# KiCad board panel.kicad_pcb (continued)
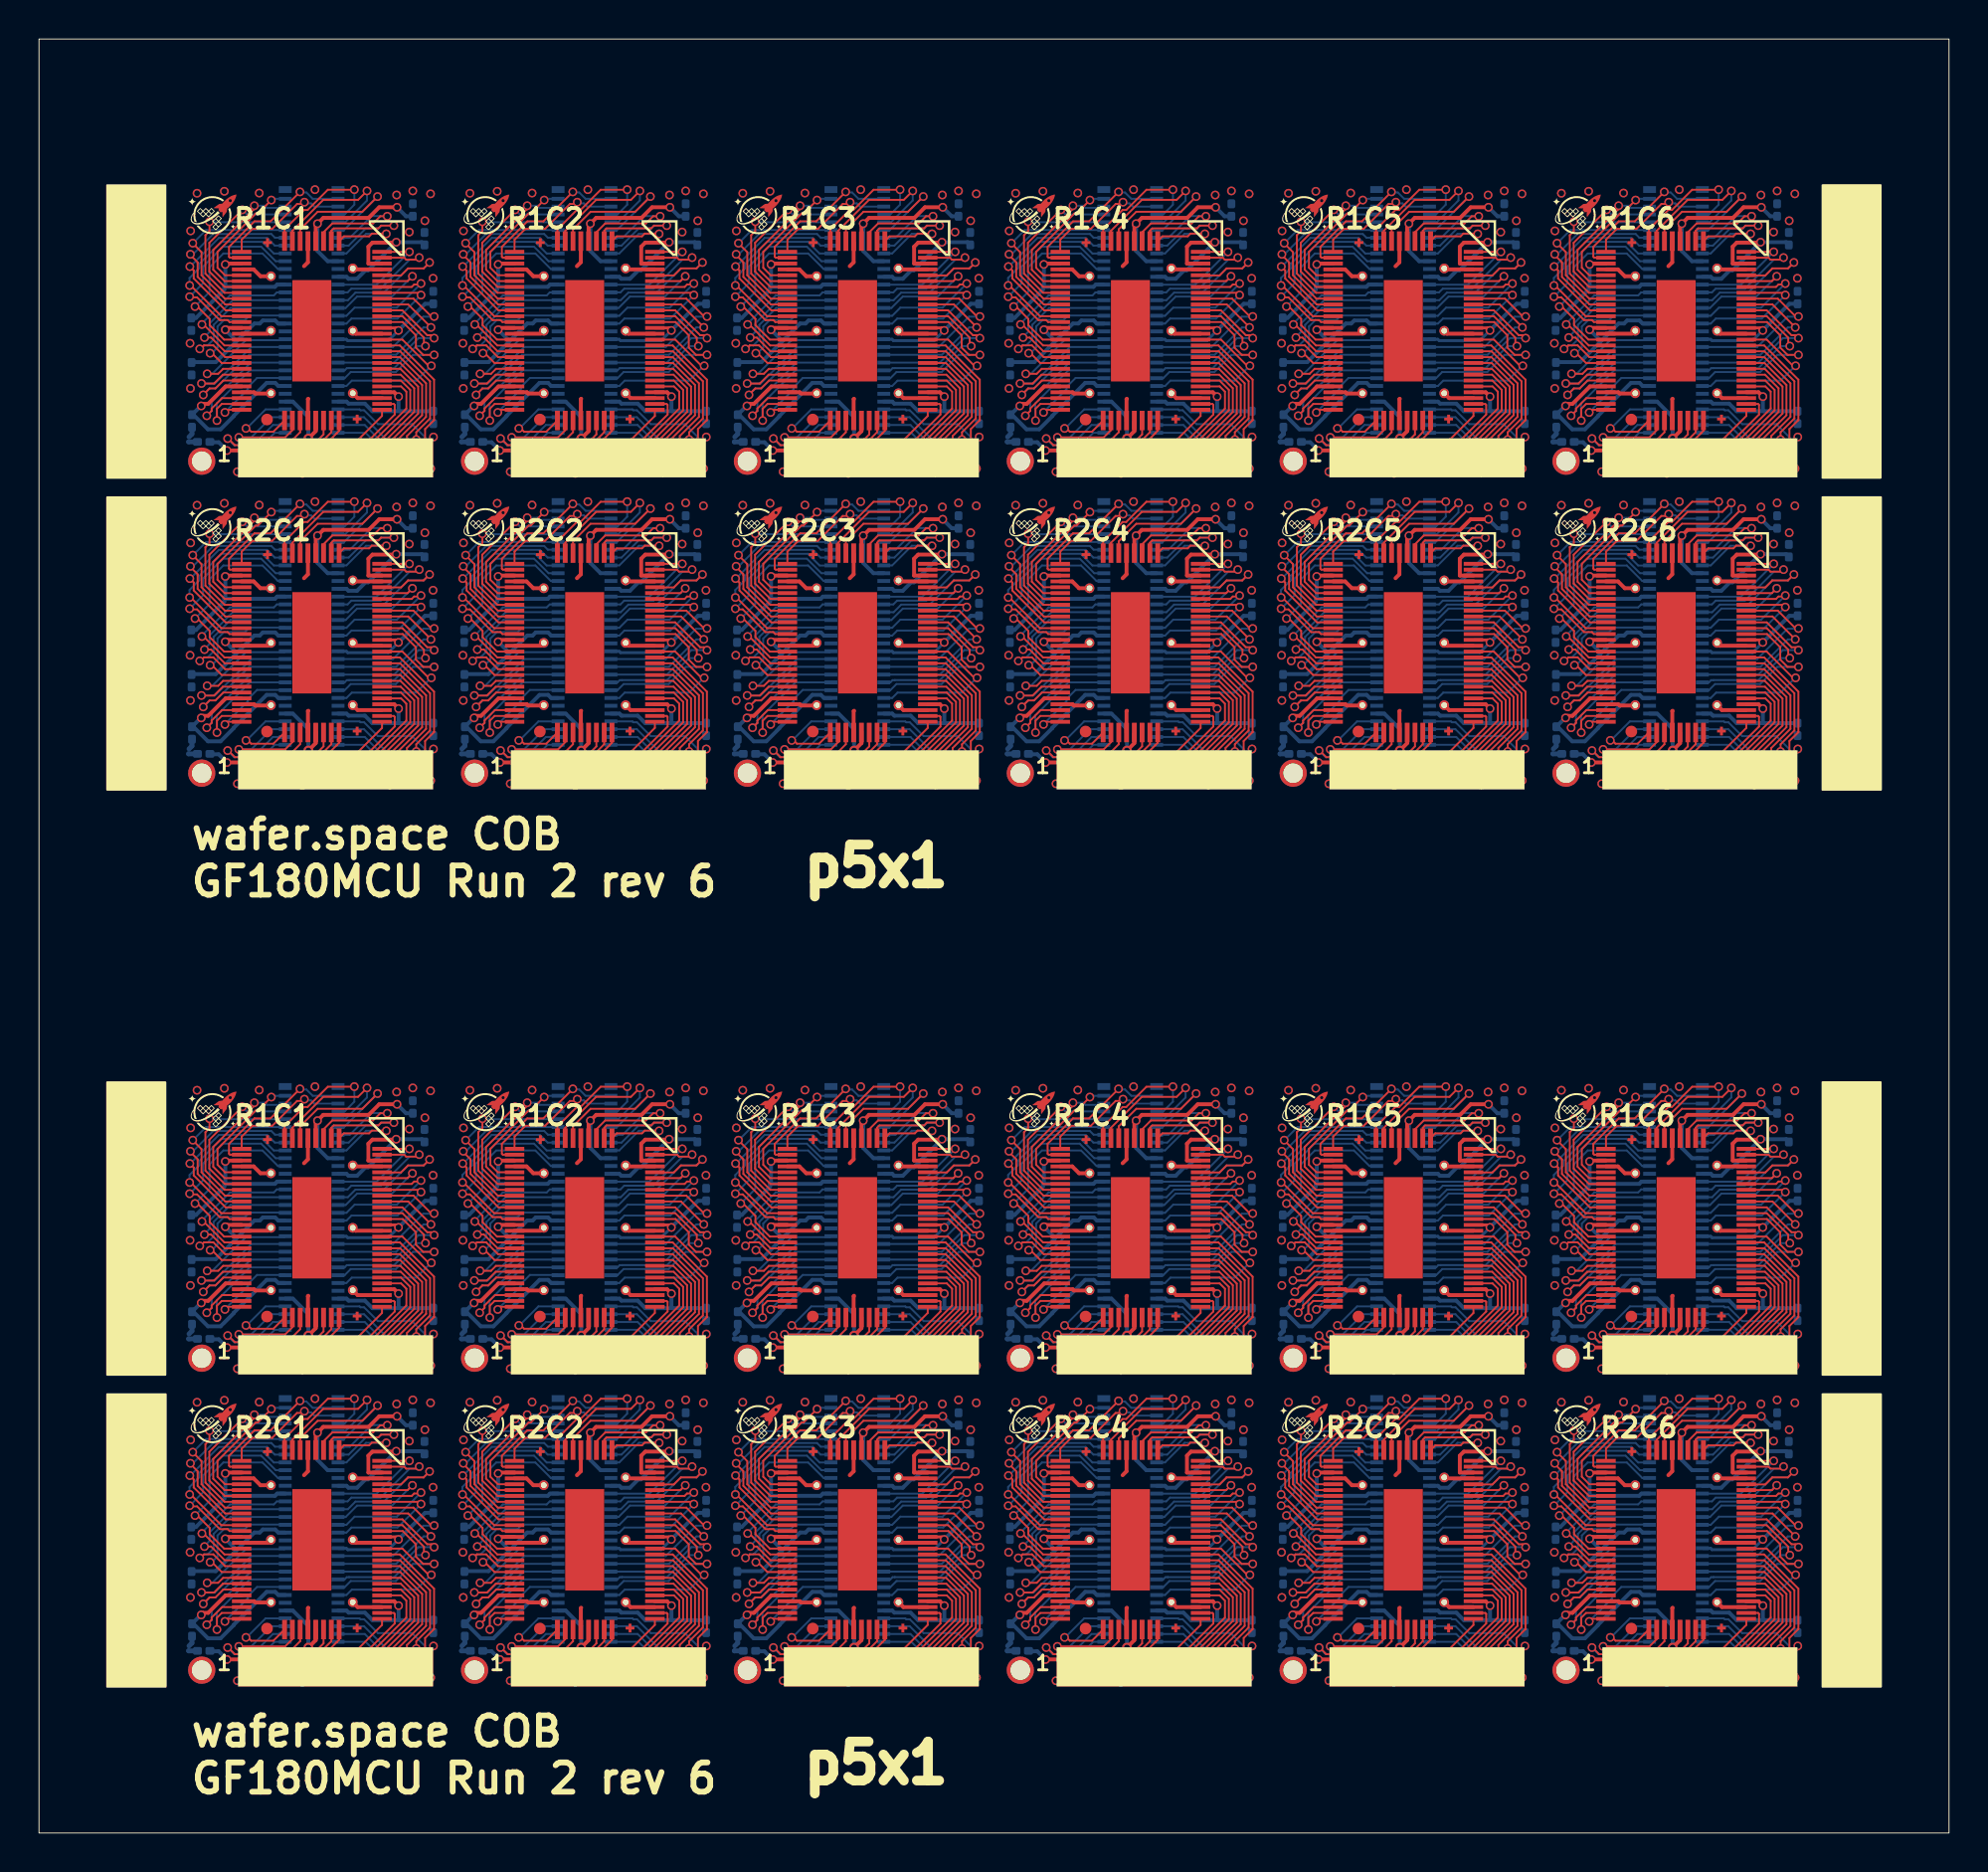
[diagram p0: board, top side]
## Routing (per net, layer and track width the routed paths; a pad name or vN(x,y) marks a point on that pad's centre or on a via; arc(x,y) is an arc through that point) (continued)
/bidir_10: length 199.2
  Top w0.1: U110.21 74.65,76.59 75.99,75.24 v1(76.13,75.24) ; U110#2.21 74.65,30.59 75.99,29.24 v1(76.13,29.24) ; v1(90.13,29.24) 89.99,29.24 88.65,30.59 U112.21 ; v1(48.13,13.24) 47.99,13.24 46.65,14.59 U118.21 ; U108.21 60.65,30.59 61.99,29.24 v1(62.13,29.24) ; v1(20.13,13.24) 19.99,13.24 18.65,14.59 U114#2.21 ; U124#2.21 88.65,60.59 89.99,59.24 v1(90.13,59.24) ; U102.21 18.65,76.59 19.99,75.24 v1(20.13,75.24) ; v1(62.13,75.24) 61.99,75.24 60.65,76.59 U108#2.21 ; U114.21 18.65,60.59 19.99,59.24 v1(20.13,59.24) ; v1(34.13,13.24) 33.99,13.24 32.65,14.59 U116#2.21 ; U118#2.21 46.65,60.59 47.99,59.24 v1(48.13,59.24) ; U122#2.21 74.65,14.59 75.99,13.24 v1(76.13,13.24) ; U104.21 32.65,76.59 33.99,75.24 v1(34.13,75.24) ; U104#2.21 32.65,30.59 33.99,29.24 v1(34.13,29.24) ; v1(48.13,29.24) 47.99,29.24 46.65,30.59 U106.21 ; v1(62.13,59.24) 61.99,59.24 60.65,60.59 U120#2.21 ; v1(90.13,13.24) 89.99,13.24 88.65,14.59 U124.21 ; U106#2.21 46.65,76.59 47.99,75.24 v1(48.13,75.24) ; U102#2.21 18.65,30.59 19.99,29.24 v1(20.13,29.24) ; v1(90.13,75.24) 89.99,75.24 88.65,76.59 U112#2.21 ; v1(34.13,59.24) 33.99,59.24 32.65,60.59 U116.21 ; v1(76.13,59.24) 75.99,59.24 74.65,60.59 U122.21 ; U120.21 60.65,14.59 61.99,13.24 v1(62.13,13.24)
  Bottom w0.1: U101.60 15.78,28.2 16.05,28.48 19.36,28.48 20.11,29.24 v1(20.13,29.24) ; U113#2.60 15.78,58.2 16.05,58.48 19.36,58.48 20.11,59.24 v1(20.13,59.24) ; v1(62.13,13.24) 62.11,13.24 61.36,12.48 58.05,12.48 57.78,12.2 U119#2.60 ; v1(20.13,75.24) 20.11,75.24 19.36,74.48 16.05,74.48 15.78,74.2 15.34,74.2 ; v1(90.13,13.24) 90.11,13.24 89.36,12.48 86.05,12.48 85.77,12.2 U123.60 ; v1(48.13,75.24) 48.11,75.24 47.36,74.48 44.05,74.48 43.78,74.2 43.34,74.2 ; v1(48.13,59.24) 48.11,59.24 47.36,58.48 44.05,58.48 43.78,58.2 U117#2.60 ; v1(62.13,75.24) 62.11,75.24 61.36,74.48 58.05,74.48 57.78,74.2 57.34,74.2 ; v1(62.13,59.24) 62.11,59.24 61.36,58.48 58.05,58.48 57.78,58.2 U119.60 ; v1(34.13,75.24) 34.11,75.24 33.36,74.48 30.05,74.48 29.78,74.2 29.34,74.2 ; 71.35,28.2 71.77,28.2 72.05,28.48 75.36,28.48 76.11,29.24 v1(76.13,29.24) ; v1(34.13,59.24) 34.11,59.24 33.36,58.48 30.05,58.48 29.78,58.2 U115#2.60 ; v1(62.13,29.24) 62.11,29.24 61.36,28.48 58.05,28.48 57.78,28.2 U107.60 ; U105#2.60 43.78,28.2 44.05,28.48 47.36,28.48 48.11,29.24 v1(48.13,29.24) ; 85.35,74.2 85.77,74.2 86.05,74.48 89.36,74.48 90.11,75.24 v1(90.13,75.24) ; U123#2.60 85.77,58.2 86.05,58.48 89.36,58.48 90.11,59.24 v1(90.13,59.24) ; v1(76.13,75.24) 76.11,75.24 75.36,74.48 72.05,74.48 71.77,74.2 71.35,74.2 ; v1(76.13,59.24) 76.11,59.24 75.36,58.48 72.05,58.48 71.77,58.2 71.35,58.2 ; U115.60 29.78,12.2 30.05,12.48 33.36,12.48 34.11,13.24 v1(34.13,13.24) ; v1(90.13,29.24) 90.11,29.24 89.36,28.48 86.05,28.48 85.77,28.2 U111.60 ; 71.35,12.2 71.77,12.2 72.05,12.48 75.36,12.48 76.11,13.24 v1(76.13,13.24) ; v1(20.13,13.24) 20.11,13.24 19.36,12.48 16.05,12.48 15.78,12.2 U113.60 ; U117.60 43.78,12.2 44.05,12.48 47.36,12.48 48.11,13.24 v1(48.13,13.24) ; U103.60 29.78,28.2 30.05,28.48 33.36,28.48 34.11,29.24 v1(34.13,29.24)
/bidir_11: length 220
  Top w0.1: v1(76.27,29.8) 75.71,29.8 75.34,30.17 75.34,30.81 74.66,31.49 U110#2.24 ; U114#2.24 18.66,15.49 19.34,14.81 19.34,14.17 19.71,13.8 v1(20.28,13.8) ; v1(90.27,59.8) 89.71,59.8 89.34,60.17 89.34,60.81 88.66,61.49 U124#2.24 ; v1(76.27,13.8) 75.71,13.8 75.34,14.17 75.34,14.81 74.66,15.49 U122#2.24 ; U118#2.24 46.66,61.49 47.34,60.81 47.34,60.17 47.71,59.8 v1(48.28,59.8) ; U124.24 88.66,15.49 89.34,14.81 89.34,14.17 89.71,13.8 v1(90.27,13.8) ; v1(34.28,13.8) 33.71,13.8 33.34,14.17 33.34,14.81 32.66,15.49 U116#2.24 ; v1(76.27,75.8) 75.71,75.8 75.34,76.17 75.34,76.81 74.66,77.49 73.6,77.48 ; 31.6,77.48 32.66,77.49 33.34,76.81 33.34,76.17 33.71,75.8 v1(34.28,75.8) ; v1(34.28,59.8) 33.71,59.8 33.34,60.17 33.34,60.81 32.66,61.49 U116.24 ; v1(90.27,29.8) 89.71,29.8 89.34,30.17 89.34,30.81 88.66,31.49 U112.24 ; v1(62.28,75.8) 61.71,75.8 61.34,76.17 61.34,76.81 60.66,77.49 59.6,77.48 ; U104#2.24 32.66,31.49 33.34,30.81 33.34,30.17 33.71,29.8 v1(34.28,29.8) ; U120#2.24 60.66,61.49 61.34,60.81 61.34,60.17 61.71,59.8 v1(62.28,59.8) ; 17.6,77.48 18.66,77.49 19.34,76.81 19.34,76.17 19.71,75.8 v1(20.28,75.8) ; v1(76.27,59.8) 75.71,59.8 75.34,60.17 75.34,60.81 74.66,61.49 U122.24 ; v1(62.28,29.8) 61.71,29.8 61.34,30.17 61.34,30.81 60.66,31.49 U108.24 ; U102#2.24 18.66,31.49 19.34,30.81 19.34,30.17 19.71,29.8 v1(20.28,29.8) ; v1(48.28,13.8) 47.71,13.8 47.34,14.17 47.34,14.81 46.66,15.49 U118.24 ; U106.24 46.66,31.49 47.34,30.81 47.34,30.17 47.71,29.8 v1(48.28,29.8) ; v1(48.28,75.8) 47.71,75.8 47.34,76.17 47.34,76.81 46.66,77.49 45.6,77.48 ; v1(62.28,13.8) 61.71,13.8 61.34,14.17 61.34,14.81 60.66,15.49 U120.24 ; 87.6,77.48 88.66,77.49 89.34,76.81 89.34,76.17 89.71,75.8 v1(90.27,75.8) ; U114.24 18.66,61.49 19.34,60.81 19.34,60.17 19.71,59.8 v1(20.28,59.8)
  Bottom w0.1: 71.35,12.61 71.68,12.61 72,12.92 74.31,12.92 75.19,13.8 v1(76.27,13.8) ; U103#2.59 29.68,74.61 30,74.92 32.31,74.92 33.19,75.8 v1(34.28,75.8) ; 71.35,58.61 71.68,58.61 72,58.92 74.31,58.92 75.19,59.8 v1(76.27,59.8) ; v1(90.27,59.8) 89.19,59.8 88.31,58.92 86,58.92 85.68,58.61 U123#2.59 ; v1(76.27,75.8) 75.19,75.8 74.31,74.92 72,74.92 71.68,74.61 71.35,74.61 ; v1(48.28,59.8) 47.19,59.8 46.31,58.92 44,58.92 43.68,58.61 U117#2.59 ; v1(76.27,29.8) 75.19,29.8 74.31,28.92 72,28.92 71.68,28.61 71.35,28.61 ; U107.59 57.68,28.61 58,28.92 60.31,28.92 61.19,29.8 v1(62.28,29.8) ; U105#2.59 43.68,28.61 44,28.92 46.31,28.92 47.19,29.8 v1(48.28,29.8) ; v1(90.27,75.8) 89.19,75.8 88.31,74.92 86,74.92 85.68,74.61 U111#2.59 ; v1(20.28,75.8) 19.19,75.8 18.31,74.92 16,74.92 15.68,74.61 U101#2.59 ; v1(34.28,13.8) 33.19,13.8 32.31,12.92 30,12.92 29.68,12.61 U115.59 ; v1(62.28,59.8) 61.19,59.8 60.31,58.92 58,58.92 57.68,58.61 U119.59 ; v1(20.28,59.8) 19.19,59.8 18.31,58.92 16,58.92 15.68,58.61 U113#2.59 ; v1(34.28,59.8) 33.19,59.8 32.31,58.92 30,58.92 29.68,58.61 U115#2.59 ; v1(62.28,13.8) 61.19,13.8 60.31,12.92 58,12.92 57.68,12.61 U119#2.59 ; v1(90.27,13.8) 89.19,13.8 88.31,12.92 86,12.92 85.68,12.61 U123.59 ; v1(90.27,29.8) 89.19,29.8 88.31,28.92 86,28.92 85.68,28.61 U111.59 ; U117.59 43.68,12.61 44,12.92 46.31,12.92 47.19,13.8 v1(48.28,13.8) ; U105.59 43.68,74.61 44,74.92 46.31,74.92 47.19,75.8 v1(48.28,75.8) ; v1(20.28,13.8) 19.19,13.8 18.31,12.92 16,12.92 15.68,12.61 U113.59 ; U103.59 29.68,28.61 30,28.92 32.31,28.92 33.19,29.8 v1(34.28,29.8) ; v1(62.28,75.8) 61.19,75.8 60.31,74.92 58,74.92 57.68,74.61 U107#2.59 ; v1(20.28,29.8) 19.19,29.8 18.31,28.92 16,28.92 15.68,28.61 U101.59
/bidir_12: length 193.8
  Top w0.1: v1(61.83,60.25) 61.75,60.33 61.75,60.68 60.65,61.79 59.6,61.79 ; 31.6,61.79 32.65,61.79 33.75,60.68 33.75,60.33 v1(33.83,60.25) ; v1(47.83,60.25) 47.75,60.33 47.75,60.68 46.65,61.79 45.6,61.79 ; 45.6,77.79 46.65,77.79 47.75,76.68 47.75,76.33 v1(47.83,76.25) ; 59.6,31.79 60.65,31.79 61.75,30.68 61.75,30.33 v1(61.83,30.25) ; 59.6,77.79 60.65,77.79 61.75,76.68 61.75,76.33 v1(61.83,76.25) ; v1(89.83,14.25) 89.75,14.33 89.75,14.68 88.65,15.79 87.6,15.79 ; v1(75.83,60.25) 75.75,60.33 75.75,60.68 74.65,61.79 73.6,61.79 ; v1(47.83,30.25) 47.75,30.33 47.75,30.68 46.65,31.79 45.6,31.79 ; 17.6,61.79 18.65,61.79 19.75,60.68 19.75,60.33 v1(19.83,60.25) ; v1(89.83,76.25) 89.75,76.33 89.75,76.68 88.65,77.79 87.6,77.79 ; 73.6,77.79 74.65,77.79 75.75,76.68 75.75,76.33 v1(75.83,76.25) ; 45.6,15.79 46.65,15.79 47.75,14.68 47.75,14.33 v1(47.83,14.25) ; 31.6,77.79 32.65,77.79 33.75,76.68 33.75,76.33 v1(33.83,76.25) ; v1(75.83,30.25) 75.75,30.33 75.75,30.68 74.65,31.79 73.6,31.79 ; v1(19.83,76.25) 19.75,76.33 19.75,76.68 18.65,77.79 17.6,77.79 ; v1(33.83,14.25) 33.75,14.33 33.75,14.68 32.65,15.79 31.6,15.79 ; v1(19.83,30.25) 19.75,30.33 19.75,30.68 18.65,31.79 17.6,31.79 ; 59.6,15.79 60.65,15.79 61.75,14.68 61.75,14.33 v1(61.83,14.25) ; v1(33.83,30.25) 33.75,30.33 33.75,30.68 32.65,31.79 31.6,31.79 ; v1(19.83,14.25) 19.75,14.33 19.75,14.68 18.65,15.79 17.6,15.79 ; v1(89.83,30.25) 89.75,30.33 89.75,30.68 88.65,31.79 87.6,31.79 ; 87.6,61.79 88.65,61.79 89.75,60.68 89.75,60.33 v1(89.83,60.25) ; v1(75.83,14.25) 75.75,14.33 75.75,14.68 74.65,15.79 73.6,15.79
  Bottom w0.1: 57.35,75.01 57.68,75.01 57.8,75.12 57.91,75.12 57.91,75.12 60.22,75.12 61.35,76.25 v1(61.83,76.25) ; 85.35,13.01 85.68,13.01 85.8,13.12 85.91,13.12 85.91,13.12 88.22,13.12 89.35,14.25 v1(89.83,14.25) ; v1(61.83,60.25) 61.35,60.25 60.22,59.12 57.91,59.12 57.91,59.12 57.8,59.12 57.68,59.01 57.35,59.01 ; v1(89.83,30.25) 89.35,30.25 88.22,29.12 85.91,29.12 85.91,29.12 85.8,29.12 85.68,29.01 85.35,29.01 ; v1(47.83,76.25) 47.35,76.25 46.22,75.12 43.91,75.12 43.91,75.12 43.8,75.12 43.68,75.01 43.35,75.01 ; 15.35,29.01 15.68,29.01 15.8,29.12 15.91,29.12 15.91,29.12 18.22,29.12 19.35,30.25 v1(19.83,30.25) ; 57.35,29.01 57.68,29.01 57.8,29.12 57.91,29.12 57.91,29.12 60.22,29.12 61.35,30.25 v1(61.83,30.25) ; 43.35,29.01 43.68,29.01 43.8,29.12 43.91,29.12 43.91,29.12 46.22,29.12 47.35,30.25 v1(47.83,30.25) ; v1(19.83,14.25) 19.35,14.25 18.22,13.12 15.91,13.12 15.91,13.12 15.8,13.12 15.68,13.01 15.35,13.01 ; v1(33.83,60.25) 33.35,60.25 32.22,59.12 29.91,59.12 29.91,59.12 29.8,59.12 29.68,59.01 29.35,59.01 ; v1(75.83,30.25) 75.35,30.25 74.22,29.12 71.91,29.12 71.91,29.12 71.8,29.12 71.68,29.01 71.35,29.01 ; 15.35,75.01 15.68,75.01 15.8,75.12 15.91,75.12 15.91,75.12 18.22,75.12 19.35,76.25 v1(19.83,76.25) ; 71.35,75.01 71.68,75.01 71.8,75.12 71.91,75.12 71.91,75.12 74.22,75.12 75.35,76.25 v1(75.83,76.25) ; 29.35,13.01 29.68,13.01 29.8,13.12 29.91,13.12 29.91,13.12 32.22,13.12 33.35,14.25 v1(33.83,14.25) ; v1(89.83,76.25) 89.35,76.25 88.22,75.12 85.91,75.12 85.91,75.12 85.8,75.12 85.68,75.01 85.35,75.01 ; v1(47.83,60.25) 47.35,60.25 46.22,59.12 43.91,59.12 43.91,59.12 43.8,59.12 43.68,59.01 43.35,59.01 ; v1(33.83,76.25) 33.35,76.25 32.22,75.12 29.91,75.12 29.91,75.12 29.8,75.12 29.68,75.01 29.35,75.01 ; 85.35,59.01 85.68,59.01 85.8,59.12 85.91,59.12 85.91,59.12 88.22,59.12 89.35,60.25 v1(89.83,60.25) ; v1(47.83,14.25) 47.35,14.25 46.22,13.12 43.91,13.12 43.91,13.12 43.8,13.12 43.68,13.01 43.35,13.01 ; 15.35,59.01 15.68,59.01 15.8,59.12 15.91,59.12 15.91,59.12 18.22,59.12 19.35,60.25 v1(19.83,60.25) ; 71.35,59.01 71.68,59.01 71.8,59.12 71.91,59.12 71.91,59.12 74.22,59.12 75.35,60.25 v1(75.83,60.25) ; v1(75.83,14.25) 75.35,14.25 74.22,13.12 71.91,13.12 71.91,13.12 71.8,13.12 71.68,13.01 71.35,13.01 ; 57.35,13.01 57.68,13.01 57.8,13.12 57.91,13.12 57.91,13.12 60.22,13.12 61.35,14.25 v1(61.83,14.25) ; v1(33.83,30.25) 33.35,30.25 32.22,29.12 29.91,29.12 29.91,29.12 29.8,29.12 29.68,29.01 29.35,29.01
/bidir_13: length 209.2
  Top w0.1: U116.26 32.64,62.09 33.92,60.81 34.12,60.81 v1(34.28,60.66) ; U108.26 60.64,32.09 61.92,30.81 62.12,30.81 v1(62.28,30.66) ; U120.26 60.64,16.09 61.92,14.81 62.12,14.81 v1(62.28,14.66) ; U124.26 88.64,16.09 89.92,14.81 90.12,14.81 v1(90.28,14.66) ; v1(20.28,76.66) 20.12,76.81 19.92,76.81 18.64,78.09 U102.26 ; U104#2.26 32.64,32.09 33.92,30.81 34.12,30.81 v1(34.28,30.66) ; v1(20.28,60.66) 20.12,60.81 19.92,60.81 18.64,62.09 U114.26 ; U102#2.26 18.64,32.09 19.92,30.81 20.12,30.81 v1(20.28,30.66) ; v1(76.28,30.66) 76.12,30.81 75.92,30.81 74.64,32.09 U110#2.26 ; v1(48.28,76.66) 48.12,76.81 47.92,76.81 46.64,78.09 U106#2.26 ; v1(48.28,14.66) 48.12,14.81 47.92,14.81 46.64,16.09 U118.26 ; v1(76.28,60.66) 76.12,60.81 75.92,60.81 74.64,62.09 U122.26 ; U118#2.26 46.64,62.09 47.92,60.81 48.12,60.81 v1(48.28,60.66) ; v1(20.28,14.66) 20.12,14.81 19.92,14.81 18.64,16.09 U114#2.26 ; v1(76.28,76.66) 76.12,76.81 75.92,76.81 74.64,78.09 U110.26 ; v1(90.28,30.66) 90.12,30.81 89.92,30.81 88.64,32.09 U112.26 ; v1(34.28,14.66) 34.12,14.81 33.92,14.81 32.64,16.09 U116#2.26 ; v1(34.28,76.66) 34.12,76.81 33.92,76.81 32.64,78.09 U104.26 ; U112#2.26 88.64,78.09 89.92,76.81 90.12,76.81 v1(90.28,76.66) ; v1(62.28,76.66) 62.12,76.81 61.92,76.81 60.64,78.09 U108#2.26 ; U124#2.26 88.64,62.09 89.92,60.81 90.12,60.81 v1(90.28,60.66) ; U120#2.26 60.64,62.09 61.92,60.81 62.12,60.81 v1(62.28,60.66) ; v1(48.28,30.66) 48.12,30.81 47.92,30.81 46.64,32.09 U106.26 ; v1(76.28,14.66) 76.12,14.81 75.92,14.81 74.64,16.09 U122#2.26
  Bottom w0.1: 71.35,75.41 74.22,75.41 75.47,76.66 76.27,76.66 v1(76.28,76.66) ; 85.35,29.41 88.22,29.41 89.47,30.66 90.27,30.66 v1(90.28,30.66) ; v1(34.28,14.66) 34.27,14.66 33.47,14.66 32.22,13.41 29.35,13.41 ; 57.35,13.41 60.22,13.41 61.47,14.66 62.27,14.66 v1(62.28,14.66) ; v1(62.28,76.66) 62.27,76.66 61.47,76.66 60.22,75.41 57.35,75.41 ; v1(34.28,30.66) 34.27,30.66 33.47,30.66 32.22,29.41 29.35,29.41 ; v1(20.28,76.66) 20.27,76.66 19.47,76.66 18.22,75.41 15.35,75.41 ; v1(20.28,14.66) 20.27,14.66 19.47,14.66 18.22,13.41 15.35,13.41 ; 57.35,59.41 60.22,59.41 61.47,60.66 62.27,60.66 v1(62.28,60.66) ; v1(48.28,30.66) 48.27,30.66 47.47,30.66 46.22,29.41 43.35,29.41 ; v1(76.28,60.66) 76.27,60.66 75.47,60.66 74.22,59.41 71.35,59.41 ; 43.35,59.41 46.22,59.41 47.47,60.66 48.27,60.66 v1(48.28,60.66) ; v1(34.28,60.66) 34.27,60.66 33.47,60.66 32.22,59.41 29.35,59.41 ; v1(76.28,30.66) 76.27,30.66 75.47,30.66 74.22,29.41 71.35,29.41 ; v1(48.28,76.66) 48.27,76.66 47.47,76.66 46.22,75.41 43.35,75.41 ; v1(34.28,76.66) 34.27,76.66 33.47,76.66 32.22,75.41 29.35,75.41 ; 43.35,13.41 46.22,13.41 47.47,14.66 48.27,14.66 v1(48.28,14.66) ; 71.35,13.41 74.22,13.41 75.47,14.66 76.27,14.66 v1(76.28,14.66) ; 85.35,59.41 88.22,59.41 89.47,60.66 90.27,60.66 v1(90.28,60.66) ; 15.35,59.41 18.22,59.41 19.47,60.66 20.27,60.66 v1(20.28,60.66) ; 85.35,75.41 88.22,75.41 89.47,76.66 90.27,76.66 v1(90.28,76.66) ; 15.35,29.41 18.22,29.41 19.47,30.66 20.27,30.66 v1(20.28,30.66) ; v1(90.28,14.66) 90.27,14.66 89.47,14.66 88.22,13.41 85.35,13.41 ; 57.35,29.41 60.22,29.41 61.47,30.66 62.27,30.66 v1(62.28,30.66)
/bidir_14: length 200.4
  Top w0.1: U118#2.27 46.94,62.39 48.11,61.22 v1(48.11,61.21) ; v1(34.11,15.21) 34.11,15.22 32.94,16.39 U116#2.27 ; v1(34.11,77.21) 34.11,77.22 32.94,78.39 31.6,78.39 ; U122#2.27 74.94,16.39 76.11,15.22 v1(76.11,15.21) ; v1(76.11,61.21) 76.11,61.22 74.94,62.39 U122.27 ; U108.27 60.94,32.39 62.11,31.22 v1(62.11,31.21) ; 73.6,78.39 74.94,78.39 76.11,77.22 v1(76.11,77.21) ; U124#2.27 88.94,62.39 90.11,61.22 v1(90.11,61.21) ; v1(48.11,15.21) 48.11,15.22 46.94,16.39 U118.27 ; 87.6,78.39 88.94,78.39 90.11,77.22 v1(90.11,77.21) ; v1(20.11,15.21) 20.11,15.22 18.94,16.39 U114#2.27 ; v1(48.11,77.21) 48.11,77.22 46.94,78.39 45.6,78.39 ; v1(90.11,15.21) 90.11,15.22 88.94,16.39 U124.27 ; U116.27 32.94,62.39 34.11,61.22 v1(34.11,61.21) ; U120.27 60.94,16.39 62.11,15.22 v1(62.11,15.21) ; v1(48.11,31.21) 48.11,31.22 46.94,32.39 U106.27 ; v1(20.11,77.21) 20.11,77.22 18.94,78.39 17.6,78.39 ; v1(76.11,31.21) 76.11,31.22 74.94,32.39 U110#2.27 ; U120#2.27 60.94,62.39 62.11,61.22 v1(62.11,61.21) ; U112.27 88.94,32.39 90.11,31.22 v1(90.11,31.21) ; v1(20.11,61.21) 20.11,61.22 18.94,62.39 U114.27 ; 59.6,78.39 60.94,78.39 62.11,77.22 v1(62.11,77.21) ; U102#2.27 18.94,32.39 20.11,31.22 v1(20.11,31.21) ; U104#2.27 32.94,32.39 34.11,31.22 v1(34.11,31.21)
  Bottom w0.1: v1(76.11,15.21) 75.73,15.21 74.33,13.81 71.35,13.8 ; v1(20.11,61.21) 19.73,61.21 18.33,59.81 U113#2.56 ; v1(20.11,77.21) 19.73,77.21 18.33,75.81 U101#2.56 ; U117.56 46.33,13.81 47.73,15.21 v1(48.11,15.21) ; v1(48.11,61.21) 47.73,61.21 46.33,59.81 U117#2.56 ; v1(90.11,15.21) 89.73,15.21 88.33,13.81 U123.56 ; v1(48.11,77.21) 47.73,77.21 46.33,75.81 U105.56 ; 71.35,29.8 74.33,29.81 75.73,31.21 v1(76.11,31.21) ; v1(34.11,61.21) 33.73,61.21 32.33,59.81 U115#2.56 ; U111#2.56 88.33,75.81 89.73,77.21 v1(90.11,77.21) ; U107#2.56 60.33,75.81 61.73,77.21 v1(62.11,77.21) ; v1(20.11,31.21) 19.73,31.21 18.33,29.81 U101.56 ; U119#2.56 60.33,13.81 61.73,15.21 v1(62.11,15.21) ; v1(34.11,77.21) 33.73,77.21 32.33,75.81 U103#2.56 ; v1(34.11,15.21) 33.73,15.21 32.33,13.81 U115.56 ; v1(76.11,61.21) 75.73,61.21 74.33,59.81 71.35,59.8 ; U105#2.56 46.33,29.81 47.73,31.21 v1(48.11,31.21) ; U123#2.56 88.33,59.81 89.73,61.21 v1(90.11,61.21) ; 71.35,75.8 74.33,75.81 75.73,77.21 v1(76.11,77.21) ; v1(34.11,31.21) 33.73,31.21 32.33,29.81 U103.56 ; v1(62.11,31.21) 61.73,31.21 60.33,29.81 U107.56 ; U111.56 88.33,29.81 89.73,31.21 v1(90.11,31.21) ; v1(20.11,15.21) 19.73,15.21 18.33,13.81 U113.56 ; U119.56 60.33,59.81 61.73,61.21 v1(62.11,61.21)
/bidir_15: length 207.2
  Top w0.1: v1(76.27,77.77) 76.13,77.77 75.21,78.69 U110.28 ; v1(48.28,61.77) 48.13,61.77 47.22,62.69 45.6,62.69 ; v1(48.28,31.77) 48.13,31.77 47.22,32.69 45.6,32.69 ; 73.6,62.69 75.21,62.69 76.13,61.77 v1(76.27,61.77) ; v1(20.28,31.77) 20.13,31.77 19.22,32.69 17.6,32.69 ; v1(34.28,31.77) 34.13,31.77 33.22,32.69 31.6,32.69 ; 31.6,16.69 33.22,16.69 34.13,15.77 v1(34.28,15.77) ; 87.6,62.69 89.21,62.69 90.13,61.77 v1(90.27,61.77) ; v1(20.28,77.77) 20.13,77.77 19.22,78.69 U102.28 ; v1(62.28,77.77) 62.13,77.77 61.22,78.69 U108#2.28 ; 59.6,62.69 61.22,62.69 62.13,61.77 v1(62.28,61.77) ; 45.6,16.69 47.22,16.69 48.13,15.77 v1(48.28,15.77) ; v1(34.28,61.77) 34.13,61.77 33.22,62.69 31.6,62.69 ; 17.6,16.69 19.22,16.69 20.13,15.77 v1(20.28,15.77) ; U106#2.28 47.22,78.69 48.13,77.77 v1(48.28,77.77) ; v1(90.27,77.77) 90.13,77.77 89.21,78.69 U112#2.28 ; 87.6,32.69 89.21,32.69 90.13,31.77 v1(90.27,31.77) ; v1(62.28,15.77) 62.13,15.77 61.22,16.69 59.6,16.69 ; U104.28 33.22,78.69 34.13,77.77 v1(34.28,77.77) ; v1(76.27,31.77) 76.13,31.77 75.21,32.69 73.6,32.69 ; v1(20.28,61.77) 20.13,61.77 19.22,62.69 17.6,62.69 ; 59.6,32.69 61.22,32.69 62.13,31.77 v1(62.28,31.77) ; 73.6,16.69 75.21,16.69 76.13,15.77 v1(76.27,15.77) ; 87.6,16.69 89.21,16.69 90.13,15.77 v1(90.27,15.77)
  Bottom w0.1: 15.34,76.21 18.16,76.21 19.72,77.76 20.27,77.76 v1(20.28,77.77) ; v1(62.28,15.77) 62.27,15.76 61.72,15.76 60.16,14.21 U119#2.55 ; v1(48.28,31.77) 48.27,31.76 47.72,31.76 46.16,30.21 U105#2.55 ; v1(90.27,15.77) 90.27,15.76 89.72,15.76 88.16,14.21 U123.55 ; 71.35,14.21 74.16,14.21 75.72,15.76 76.27,15.76 v1(76.27,15.77) ; U123#2.55 88.16,60.21 89.72,61.76 90.27,61.76 v1(90.27,61.77) ; 57.34,76.21 60.16,76.21 61.72,77.76 62.27,77.76 v1(62.28,77.77) ; v1(48.28,77.77) 48.27,77.76 47.72,77.76 46.16,76.21 43.34,76.21 ; v1(20.28,15.77) 20.27,15.76 19.72,15.76 18.16,14.21 U113.55 ; v1(34.28,15.77) 34.27,15.76 33.72,15.76 32.16,14.21 U115.55 ; v1(76.27,31.77) 76.27,31.76 75.72,31.76 74.16,30.21 71.35,30.21 ; U119.55 60.16,60.21 61.72,61.76 62.27,61.76 v1(62.28,61.77) ; U113#2.55 18.16,60.21 19.72,61.76 20.27,61.76 v1(20.28,61.77) ; v1(90.27,31.77) 90.27,31.76 89.72,31.76 88.16,30.21 U111.55 ; v1(20.28,31.77) 20.27,31.76 19.72,31.76 18.16,30.21 U101.55 ; U117#2.55 46.16,60.21 47.72,61.76 48.27,61.76 v1(48.28,61.77) ; 71.35,60.21 74.16,60.21 75.72,61.76 76.27,61.76 v1(76.27,61.77) ; 29.34,76.21 32.16,76.21 33.72,77.76 34.27,77.76 v1(34.28,77.77) ; v1(76.27,77.77) 76.27,77.76 75.72,77.76 74.16,76.21 71.35,76.21 ; v1(62.28,31.77) 62.27,31.76 61.72,31.76 60.16,30.21 U107.55 ; v1(90.27,77.77) 90.27,77.76 89.72,77.76 88.16,76.21 85.35,76.21 ; U117.55 46.16,14.21 47.72,15.76 48.27,15.76 v1(48.28,15.77) ; v1(34.28,31.77) 34.27,31.76 33.72,31.76 32.16,30.21 U103.55 ; U115#2.55 32.16,60.21 33.72,61.76 34.27,61.76 v1(34.28,61.77)
/bidir_16: length 165.8
  Top w0.1: v1(33.6,62.87) 33.48,62.99 U116.29 ; v1(47.6,16.87) 47.48,16.99 U118.29 ; U120#2.29 61.48,62.99 v1(61.6,62.87) ; v1(19.6,32.87) 19.48,32.99 U102#2.29 ; v1(89.6,62.87) 89.48,62.99 U124#2.29 ; v1(75.6,32.87) 75.48,32.99 U110#2.29 ; v1(89.6,78.87) 89.48,78.99 87.6,78.99 ; 31.6,78.99 33.48,78.99 v1(33.6,78.87) ; v1(61.6,78.87) 61.48,78.99 59.6,78.99 ; U112.29 89.48,32.99 v1(89.6,32.87) ; v1(75.6,16.87) 75.48,16.99 U122#2.29 ; v1(19.6,62.87) 19.48,62.99 U114.29 ; U108.29 61.48,32.99 v1(61.6,32.87) ; v1(61.6,16.87) 61.48,16.99 U120.29 ; U122.29 75.48,62.99 v1(75.6,62.87) ; U106.29 47.48,32.99 v1(47.6,32.87) ; v1(75.6,78.87) 75.48,78.99 73.6,78.99 ; v1(89.6,16.87) 89.48,16.99 U124.29 ; v1(19.6,16.87) 19.48,16.99 U114#2.29 ; 45.6,78.99 47.48,78.99 v1(47.6,78.87) ; v1(33.6,32.87) 33.48,32.99 U104#2.29 ; 17.6,78.99 19.48,78.99 v1(19.6,78.87) ; U118#2.29 47.48,62.99 v1(47.6,62.87) ; v1(33.6,16.87) 33.48,16.99 U116#2.29
  Bottom w0.1: U103#2.52 29.78,77.41 30.03,77.66 32.39,77.66 v1(33.6,78.87) ; v1(75.6,16.87) 74.39,15.66 72.03,15.66 71.77,15.41 71.35,15.41 ; v1(19.6,32.87) 18.39,31.66 16.03,31.66 15.78,31.41 15.34,31.41 ; U111#2.52 85.77,77.41 86.03,77.66 88.39,77.66 v1(89.6,78.87) ; v1(19.6,16.87) 18.39,15.66 16.03,15.66 15.78,15.41 15.34,15.41 ; 57.34,15.41 57.78,15.41 58.03,15.66 60.39,15.66 v1(61.6,16.87) ; v1(61.6,62.87) 60.39,61.66 58.03,61.66 57.78,61.41 57.34,61.41 ; 43.34,61.41 43.78,61.41 44.03,61.66 46.39,61.66 v1(47.6,62.87) ; 71.35,77.41 71.77,77.41 72.03,77.66 74.39,77.66 v1(75.6,78.87) ; 43.34,31.41 43.78,31.41 44.03,31.66 46.39,31.66 v1(47.6,32.87) ; 85.35,61.41 85.77,61.41 86.03,61.66 88.39,61.66 v1(89.6,62.87) ; U107#2.52 57.78,77.41 58.03,77.66 60.39,77.66 v1(61.6,78.87) ; 71.35,31.41 71.77,31.41 72.03,31.66 74.39,31.66 v1(75.6,32.87) ; v1(61.6,32.87) 60.39,31.66 58.03,31.66 57.78,31.41 57.34,31.41 ; v1(19.6,78.87) 18.39,77.66 16.03,77.66 15.78,77.41 U101#2.52 ; 85.35,15.41 85.77,15.41 86.03,15.66 88.39,15.66 v1(89.6,16.87) ; 43.34,15.41 43.78,15.41 44.03,15.66 46.39,15.66 v1(47.6,16.87) ; 85.35,31.41 85.77,31.41 86.03,31.66 88.39,31.66 v1(89.6,32.87) ; 29.34,31.41 29.78,31.41 30.03,31.66 32.39,31.66 v1(33.6,32.87) ; 29.34,15.41 29.78,15.41 30.03,15.66 32.39,15.66 v1(33.6,16.87) ; v1(75.6,62.87) 74.39,61.66 72.03,61.66 71.77,61.41 71.35,61.41 ; 15.34,61.41 15.78,61.41 16.03,61.66 18.39,61.66 v1(19.6,62.87) ; 29.34,61.41 29.78,61.41 30.03,61.66 32.39,61.66 v1(33.6,62.87) ; U105.52 43.78,77.41 44.03,77.66 46.39,77.66 v1(47.6,78.87)
/bidir_17: length 168.3
  Top w0.1: U114.30 19.12,63.29 19.25,63.41 19.55,63.41 v1(19.6,63.46) ; v1(47.6,79.46) 47.55,79.41 47.25,79.41 47.12,79.29 U106#2.30 ; v1(75.6,17.46) 75.55,17.41 75.25,17.41 75.12,17.29 U122#2.30 ; v1(33.6,33.46) 33.55,33.41 33.25,33.41 33.12,33.29 U104#2.30 ; v1(75.6,79.46) 75.55,79.41 75.25,79.41 75.12,79.29 U110.30 ; U120#2.30 61.12,63.29 61.25,63.41 61.55,63.41 v1(61.6,63.46) ; U102#2.30 19.12,33.29 19.25,33.41 19.55,33.41 v1(19.6,33.46) ; v1(33.6,17.46) 33.55,17.41 33.25,17.41 33.12,17.29 U116#2.30 ; v1(33.6,79.46) 33.55,79.41 33.25,79.41 33.12,79.29 U104.30 ; U108.30 61.12,33.29 61.25,33.41 61.55,33.41 v1(61.6,33.46) ; U118.30 47.12,17.29 47.25,17.41 47.55,17.41 v1(47.6,17.46) ; v1(19.6,17.46) 19.55,17.41 19.25,17.41 19.12,17.29 U114#2.30 ; U110#2.30 75.12,33.29 75.25,33.41 75.55,33.41 v1(75.6,33.46) ; v1(61.6,17.46) 61.55,17.41 61.25,17.41 61.12,17.29 U120.30 ; v1(47.6,33.46) 47.55,33.41 47.25,33.41 47.12,33.29 U106.30 ; U108#2.30 61.12,79.29 61.25,79.41 61.55,79.41 v1(61.6,79.46) ; U118#2.30 47.12,63.29 47.25,63.41 47.55,63.41 v1(47.6,63.46) ; U112#2.30 89.12,79.29 89.25,79.41 89.55,79.41 v1(89.6,79.46) ; v1(75.6,63.46) 75.55,63.41 75.25,63.41 75.12,63.29 U122.30 ; U112.30 89.12,33.29 89.25,33.41 89.55,33.41 v1(89.6,33.46) ; U124.30 89.12,17.29 89.25,17.41 89.55,17.41 v1(89.6,17.46) ; U124#2.30 89.12,63.29 89.25,63.41 89.55,63.41 v1(89.6,63.46) ; U102.30 19.12,79.29 19.25,79.41 19.55,79.41 v1(19.6,79.46) ; v1(33.6,63.46) 33.55,63.41 33.25,63.41 33.12,63.29 U116.30
  Bottom w0.1: 71.35,61.81 71.77,61.81 72.19,62.22 74.36,62.22 v1(75.6,63.46) ; 85.35,77.81 85.77,77.81 86.19,78.22 88.36,78.22 v1(89.6,79.46) ; 57.35,77.81 57.78,77.81 58.19,78.22 60.36,78.22 v1(61.6,79.46) ; v1(19.6,63.46) 18.36,62.22 16.19,62.22 15.78,61.81 15.35,61.81 ; 29.35,77.81 29.78,77.81 30.19,78.22 32.36,78.22 v1(33.6,79.46) ; 43.35,15.81 43.78,15.81 44.19,16.22 46.36,16.22 v1(47.6,17.46) ; v1(89.6,17.46) 88.36,16.22 86.19,16.22 85.77,15.81 85.35,15.81 ; v1(33.6,63.46) 32.36,62.22 30.19,62.22 29.78,61.81 29.35,61.81 ; v1(61.6,63.46) 60.36,62.22 58.19,62.22 57.78,61.81 57.35,61.81 ; 29.35,31.81 29.78,31.81 30.19,32.22 32.36,32.22 v1(33.6,33.46) ; 43.35,31.81 43.78,31.81 44.19,32.22 46.36,32.22 v1(47.6,33.46) ; 15.35,15.81 15.78,15.81 16.19,16.22 18.36,16.22 v1(19.6,17.46) ; v1(19.6,79.46) 18.36,78.22 16.19,78.22 15.78,77.81 15.35,77.81 ; 71.35,15.81 71.77,15.81 72.19,16.22 74.36,16.22 v1(75.6,17.46) ; 15.35,31.81 15.78,31.81 16.19,32.22 18.36,32.22 v1(19.6,33.46) ; v1(47.6,63.46) 46.36,62.22 44.19,62.22 43.78,61.81 43.35,61.81 ; v1(47.6,79.46) 46.36,78.22 44.19,78.22 43.78,77.81 43.35,77.81 ; v1(89.6,63.46) 88.36,62.22 86.19,62.22 85.77,61.81 85.35,61.81 ; v1(61.6,33.46) 60.36,32.22 58.19,32.22 57.78,31.81 57.35,31.81 ; v1(75.6,33.46) 74.36,32.22 72.19,32.22 71.77,31.81 71.35,31.81 ; 71.35,77.81 71.77,77.81 72.19,78.22 74.36,78.22 v1(75.6,79.46) ; v1(33.6,17.46) 32.36,16.22 30.19,16.22 29.78,15.81 29.35,15.81 ; 85.35,31.81 85.77,31.81 86.19,32.22 88.36,32.22 v1(89.6,33.46) ; v1(61.6,17.46) 60.36,16.22 58.19,16.22 57.78,15.81 57.35,15.81
/bidir_18: length 147.6
  Top w0.1: v1(89.16,17.83) 88.92,17.59 U124.31 ; U118.31 46.92,17.59 v1(47.16,17.83) ; v1(33.16,63.83) 32.92,63.59 U116.31 ; U108.31 60.92,33.59 v1(61.16,33.83) ; U110#2.31 74.92,33.59 v1(75.16,33.83) ; U108#2.31 60.92,79.59 v1(61.16,79.83) ; U118#2.31 46.92,63.59 v1(47.16,63.83) ; U120.31 60.92,17.59 v1(61.16,17.83) ; U104.31 32.92,79.59 v1(33.16,79.83) ; v1(19.16,63.83) 18.92,63.59 U114.31 ; v1(47.16,79.83) 46.92,79.59 U106#2.31 ; U114#2.31 18.92,17.59 v1(19.16,17.83) ; v1(47.16,33.83) 46.92,33.59 U106.31 ; U112#2.31 88.92,79.59 v1(89.16,79.83) ; v1(89.16,33.83) 88.92,33.59 U112.31 ; v1(61.16,63.83) 60.92,63.59 U120#2.31 ; v1(75.16,63.83) 74.92,63.59 U122.31 ; U110.31 74.92,79.59 v1(75.16,79.83) ; U102.31 18.92,79.59 v1(19.16,79.83) ; U102#2.31 18.92,33.59 v1(19.16,33.83) ; v1(75.16,17.83) 74.92,17.59 U122#2.31 ; U116#2.31 32.92,17.59 v1(33.16,17.83) ; U124#2.31 88.92,63.59 v1(89.16,63.83) ; U104#2.31 32.92,33.59 v1(33.16,33.83)